# Altium PCB Mother_board_SSL2018.PcbDoc (part 1 of 2)
Units mm, origin at the board's own origin, x right, y up, seen from the top; angles counter-clockwise.
Board outline 169 x 150.57 mm, 2 copper layers (Top Layer, Bottom Layer), stack 1.57 mm thick; 100 components, 103 nets, 445 pads, 331 vias.
Unrouted connection lines stored in the file: 4.
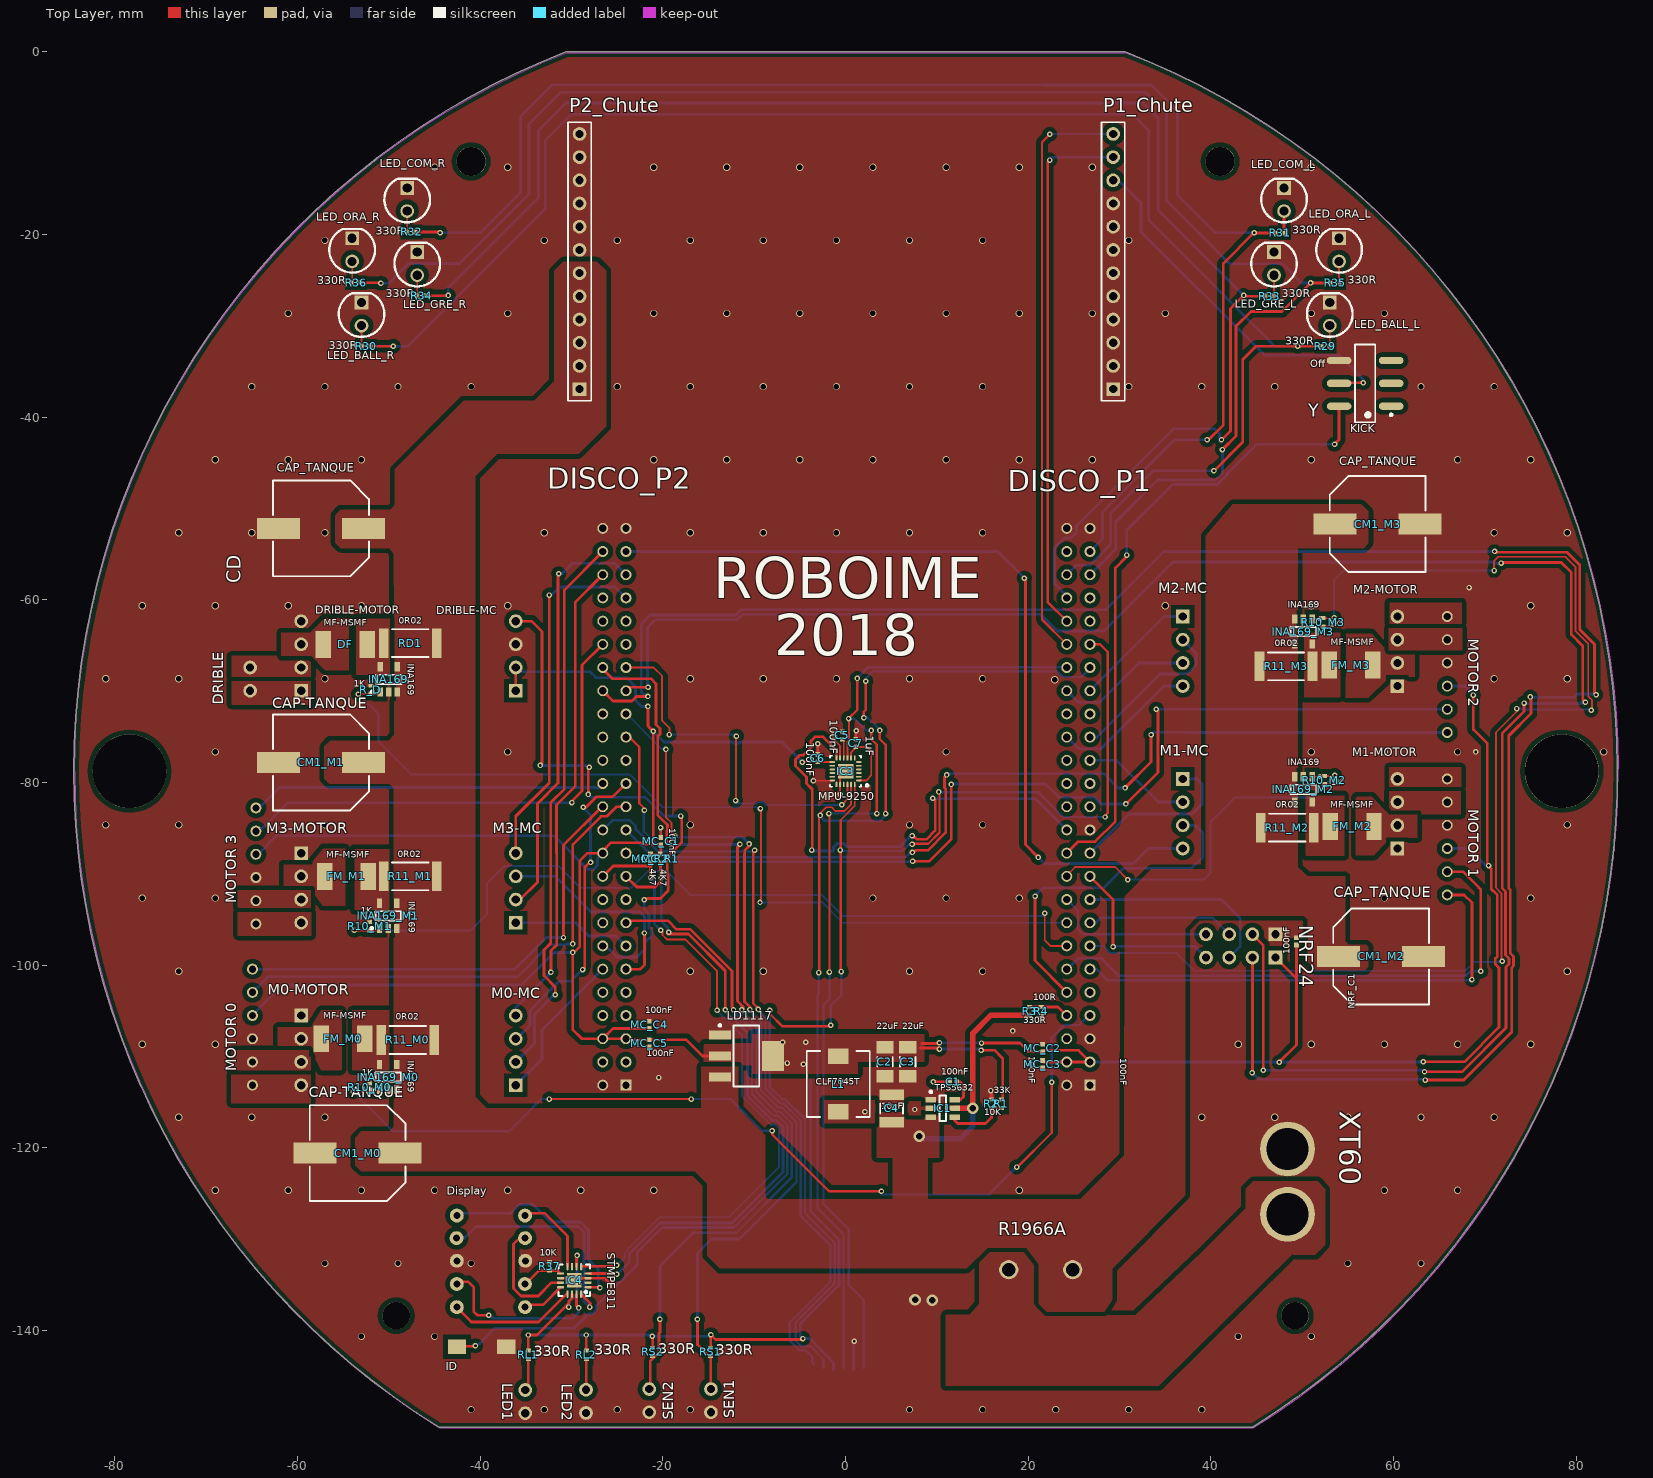
[diagram p0: Top Layer view]
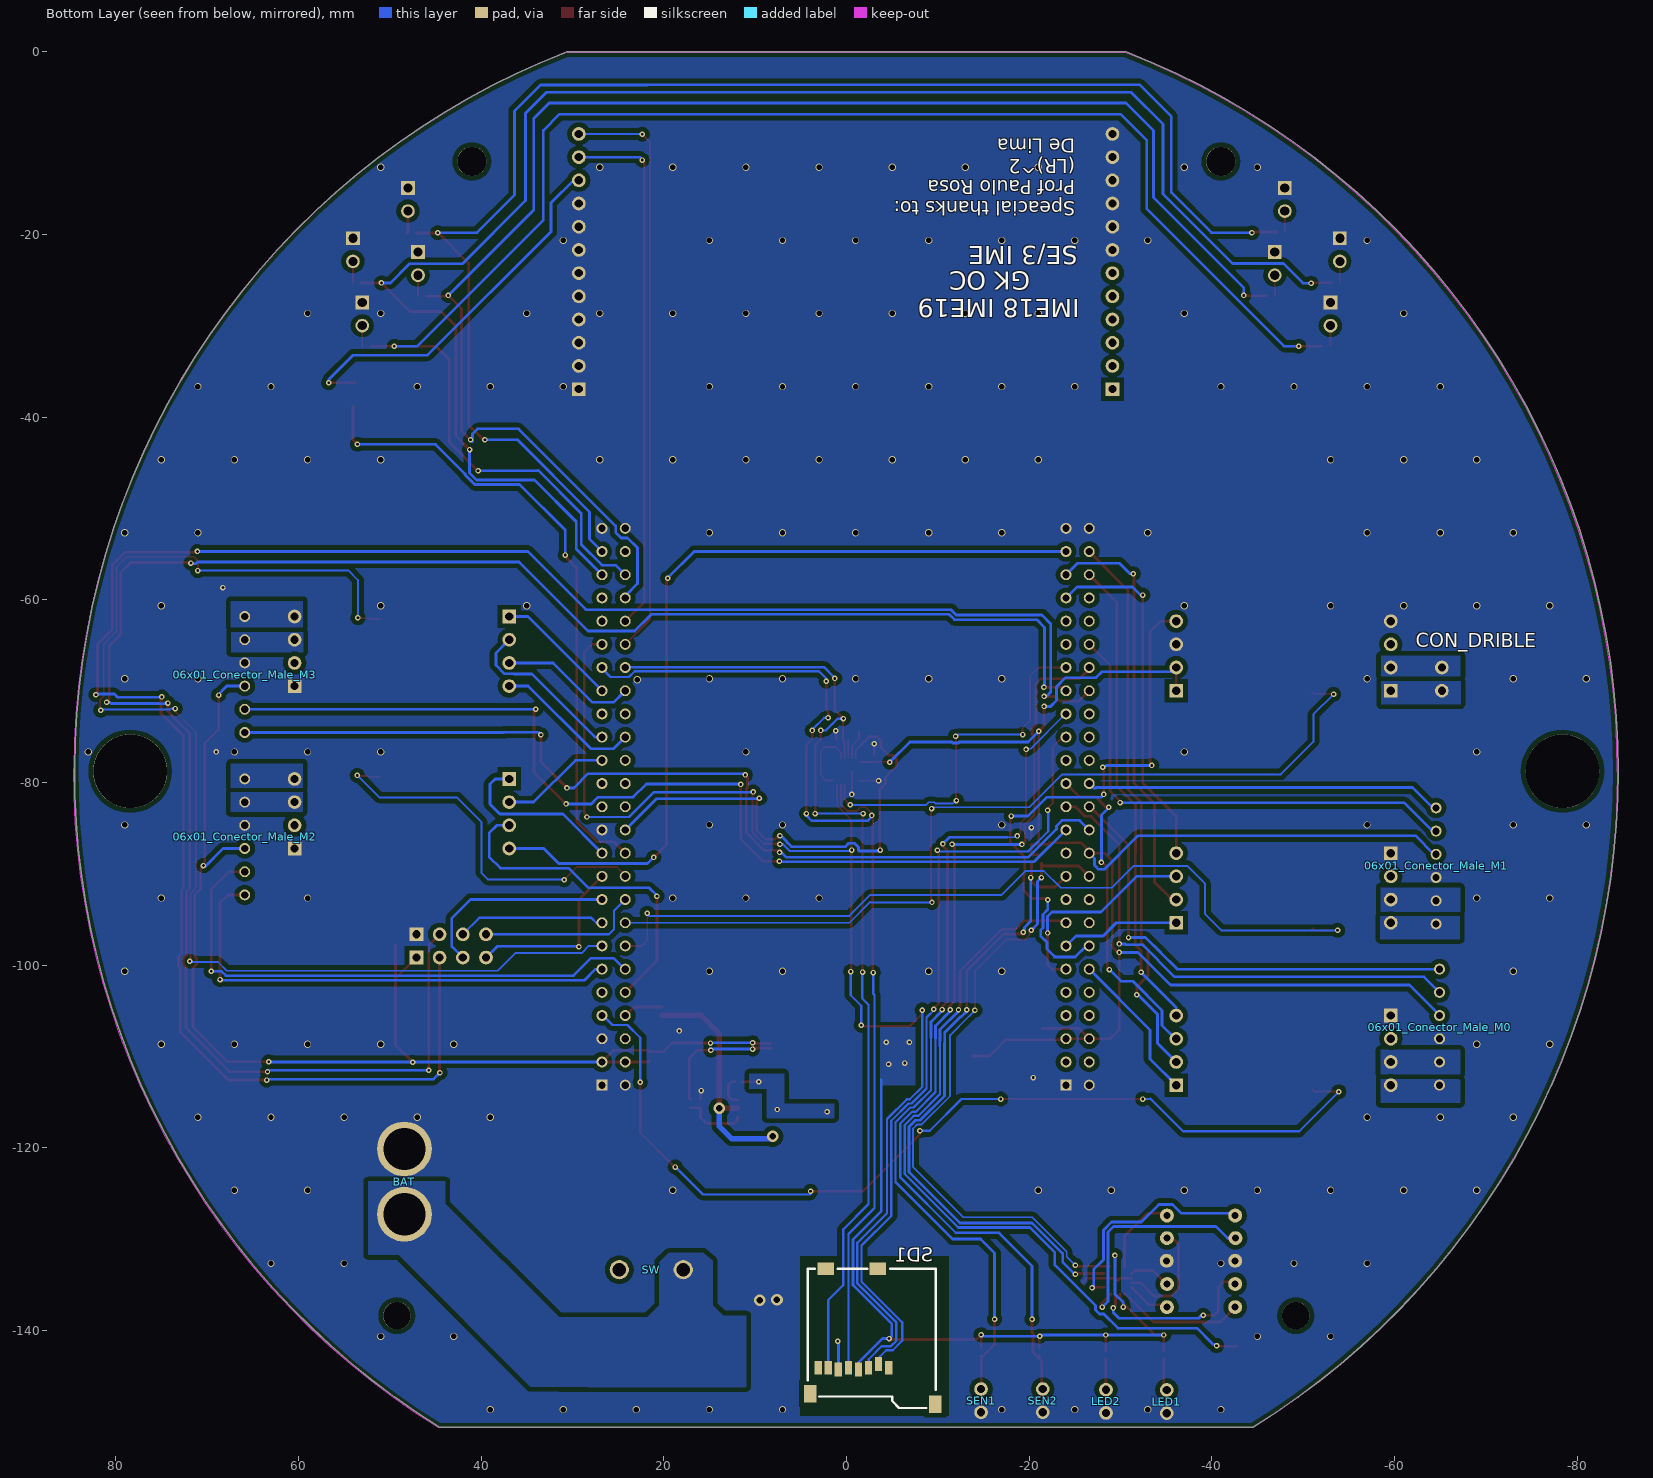
[diagram p1: Bottom Layer view, seen from below]
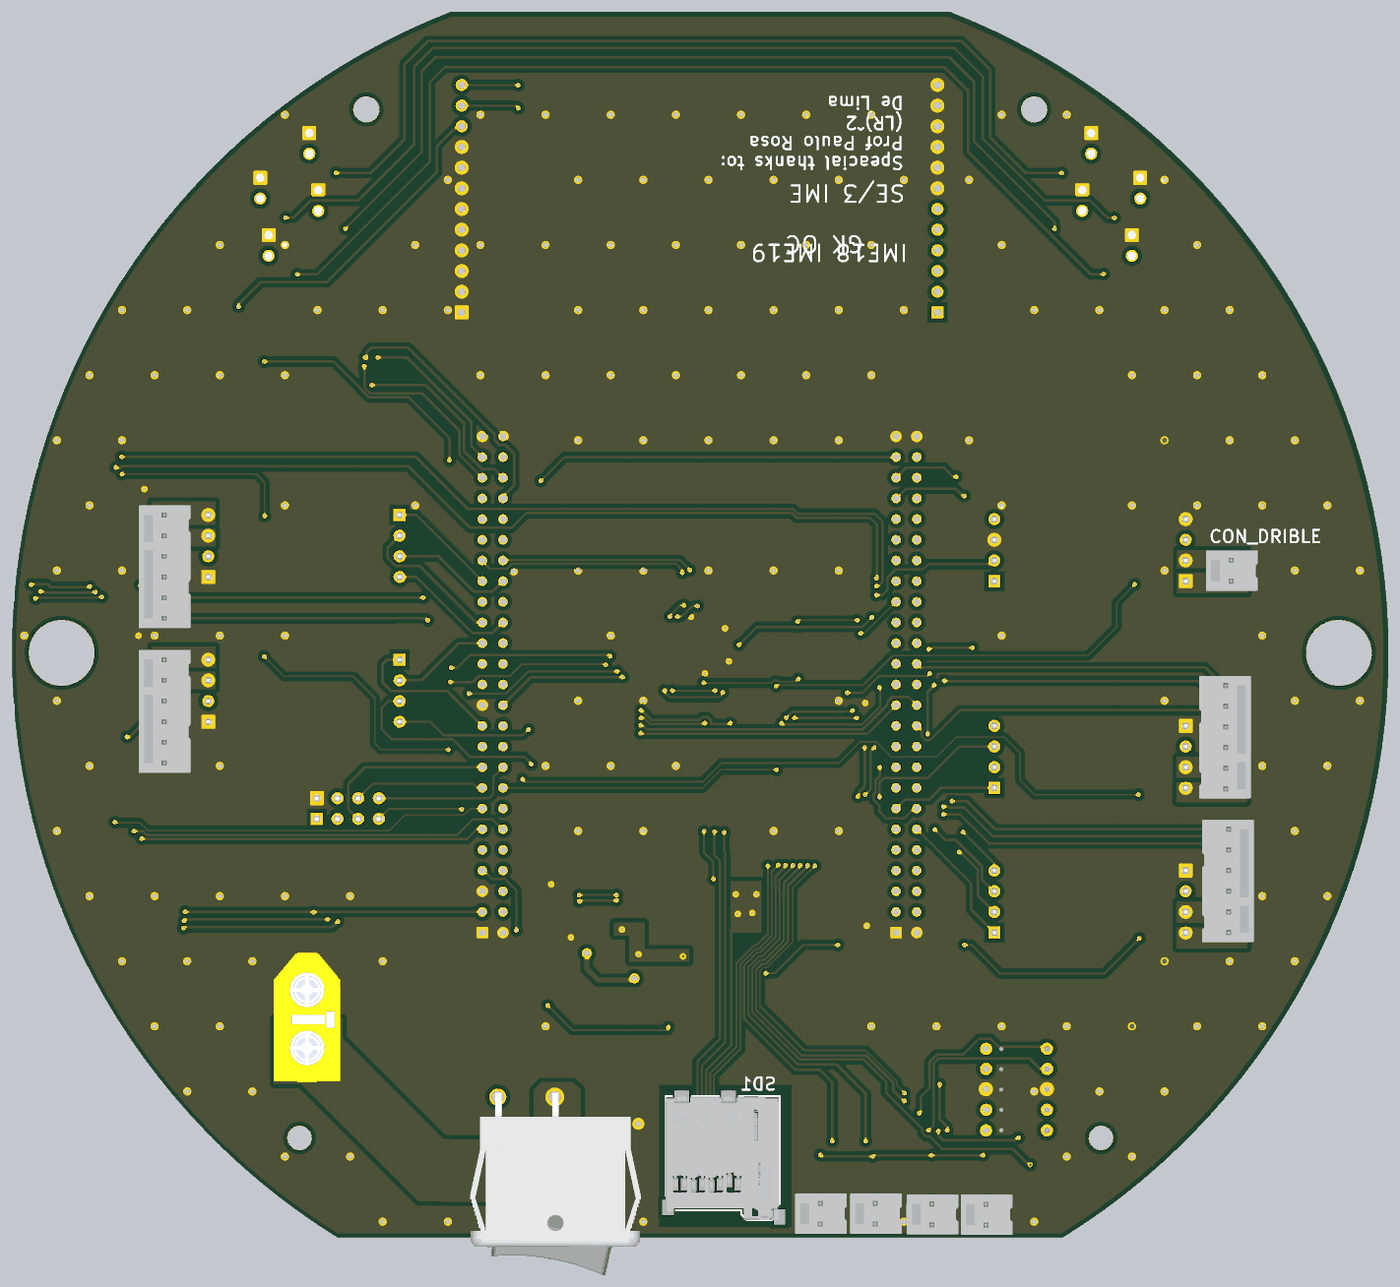
[diagram p3: 3D render of the assembled board from below, using the file's embedded part models]

## Layer stack, top to bottom
Top Solder: solder mask 0.01, Solder Resist, Dk 3.5
Top Layer: signal copper 0.035
Dielectric 1: dielectric 1.5, FR-4, Dk 4.8
Bottom Layer: signal copper 0.035
Bottom Solder: solder mask 0.01, Solder Resist, Dk 3.5

## Board outline
-30.603,0 -33.364,-1.129 -36.083,-2.355 -38.757,-3.676 -41.383,-5.091 -43.957,-6.597 -46.477,-8.194 -48.938,-9.878 -51.339,-11.648 -53.676,-13.502 -55.946,-15.437 -58.146,-17.451 -60.274,-19.541 -62.326,-21.705 -64.301,-23.941 -66.196,-26.244 -68.008,-28.613 -69.736,-31.044 -71.377,-33.535 -72.928,-36.083 -74.389,-38.683 -75.758,-41.333 -77.031,-44.03 -78.209,-46.771 -79.29,-49.551 -80.271,-52.368 -81.153,-55.217 -81.933,-58.096 -82.612,-61 -83.187,-63.927 -83.659,-66.872 -84.027,-69.832 -84.29,-72.803 -84.447,-75.782 -84.5,-78.764 -84.448,-81.723 -84.293,-84.678 -84.034,-87.625 -83.672,-90.562 -83.208,-93.484 -82.642,-96.389 -81.974,-99.272 -81.205,-102.129 -80.338,-104.958 -79.371,-107.755 -78.307,-110.516 -77.148,-113.238 -75.893,-115.918 -74.546,-118.553 -73.107,-121.139 -71.579,-123.672 -69.962,-126.151 -68.26,-128.571 -66.475,-130.931 -64.607,-133.226 -62.661,-135.455 -60.637,-137.614 -58.54,-139.701 -56.37,-141.713 -54.132,-143.649 -51.827,-145.504 -49.458,-147.278 -47.029,-148.967 -44.542,-150.571 44.542,-150.571 47.04,-148.96 49.479,-147.263 51.857,-145.481 54.171,-143.616 56.418,-141.671 58.595,-139.648 60.7,-137.55 62.729,-135.379 64.681,-133.138 66.553,-130.83 68.343,-128.458 70.048,-126.024 71.667,-123.531 73.197,-120.984 74.636,-118.384 75.983,-115.735 77.236,-113.04 78.394,-110.303 79.454,-107.527 80.416,-104.715 81.279,-101.871 82.041,-98.999 82.702,-96.101 83.261,-93.182 83.716,-90.246 84.068,-87.295 84.316,-84.333 84.46,-81.365 84.499,-78.393 84.434,-75.422 84.264,-72.455 83.99,-69.496 83.612,-66.549 83.131,-63.616 82.547,-60.702 81.861,-57.811 81.073,-54.945 80.186,-52.109 79.199,-49.306 78.114,-46.539 76.933,-43.812 75.656,-41.128 74.286,-38.491 72.824,-35.904 71.271,-33.37 69.631,-30.892 67.905,-28.473 66.094,-26.116 64.202,-23.824 62.23,-21.601 60.182,-19.448 58.059,-17.368 55.864,-15.365 53.6,-13.44 51.27,-11.595 48.876,-9.834 46.422,-8.158 43.911,-6.569 41.345,-5.07 38.728,-3.661 36.063,-2.346 33.354,-1.125 30.603,0

## Design rules (kind name [scope] priority, off if disabled: settings)
Clearance Clearance_1 [All] p1: gap=0.3 ignorepadtopadclearanceinfootprint=FALSE except(0: Arc-Hole Track-Hole SMDPad-Hole THPad-Hole Via-Hole Fill-Hole Poly-Hole Region-Hole Text-Hole; 0.15: SMDPad-SMDPad; 0.2: Track-Track Track-SMDPad; 0.5: Arc-Poly Track-Poly SMDPad-Poly THPad-Poly Via-Poly Fill-Poly Poly-Poly Poly-Region Poly-Text)
HoleSize [All] p1: absolutevalues=TRUE maxlimit=10 minlimit=0.025 maxpercent=80.000 minpercent=20.000
MinimumSolderMaskSliver [All] p1 off: minsoldermaskwidth=0.2
PlaneConnect [All] p1: planeconnectstyle=Direct reliefexpansion=0.508 reliefentries=4 reliefconductorwidth=0.254 reliefairgap=0.254
PolygonConnect "Schematic Polygon Connect Style_3" [InComponent('C3')] p1: connectstyle=Direct reliefconductorwidth=0.254 reliefentries=4 polygonreliefangle="45 Angle" airgapwidth=0.254
PolygonConnect PolygonConnect_3 [InNet('GND')] p2: connectstyle=Direct reliefconductorwidth=0.254 reliefentries=4 polygonreliefangle="90 Angle" airgapwidth=0.254
PolygonConnect PolygonConnect_1 [InNetClass('DIRECT')] p3: connectstyle=Direct reliefconductorwidth=0.508 reliefentries=4 polygonreliefangle="90 Angle" airgapwidth=0.254
PolygonConnect PolygonConnect_2 [IsVia] p4: connectstyle=Direct reliefconductorwidth=0.254 reliefentries=4 polygonreliefangle="90 Angle" airgapwidth=0.254
PolygonConnect "Schematic Polygon Connect Style_1" [InComponent('C2')] p5: connectstyle=Direct reliefconductorwidth=0.254 reliefentries=4 polygonreliefangle="45 Angle" airgapwidth=0.254
PolygonConnect "Schematic Polygon Connect Style_2" [InComponent('L1')] p6: connectstyle=Direct reliefconductorwidth=0.254 reliefentries=4 polygonreliefangle="45 Angle" airgapwidth=0.254
PolygonConnect [All] p7: connectstyle=Direct reliefconductorwidth=0.3 reliefentries=4 polygonreliefangle="90 Angle" airgapwidth=0.254
RoutingVias [All] p1: holewidth=0.7 width=1 viastyle="Through Hole" minholewidth=0.5 minwidth=0.7 maxholewidth=6 maxwidth=6
SilkToSilkClearance [All] p1 off: silktosilkclearance=0.254
SilkToSolderMaskClearance [IsPad] p1 off: minsilkscreentomaskgap=0.254 clearancetoexposedcopper=TRUE
SolderMaskExpansion [All] p1: expansion=0.102
Width [All] p1: maxlimit=1.016 minlimit=0.2 preferedwidth=0.3
25 further rules are at their usual default settings.

## Classes and differential pairs
component class Periféricos: C5 C6 C7 Display IC3 IC4 ID LED_BALL_L LED_BALL_R LED_COM_L LED_COM_R LED_GRE_L LED_GRE_R LED_ORA_R LED_ORAn_L R29 R30 R31 R32 R33 R34 R35 R36 R37 SD1
component class POWER: BAT C1 C2 C3 C4 IC1 IC? L1 LD1117 R1 R2 R3 R4 SW
net class DIRECT: DA DB MA_M0 MA_M1 MA_M2 MA_M3 MB_M0 MB_M1 MB_M2 MB_M3 NetC1_2 NetC1_M0_2 NetC1_M1_2 NetC1_M2_2 NetC1_M3_2 NetCON_DM_1 NetDF_2 NetFM_M0_2 NetFM_M1_2 NetFM_M2_2 NetFM_M3_2 VBAT
component class M0: 06x01_Conector_Male_M0 C1_M0 C3_M0 CM1_M0 FM_M0 INA169_M0 M0-MC M0-MOTOR R10_M0 R11_M0
component class M1: 06x01_Conector_Male_M1 C1_M1 C3_M1 CM1_M1 FM_M1 INA169_M1 M3-MC M3-MOTOR R10_M1 R11_M1
component class M2: 06x01_Conector_Male_M2 C1_M2 C3_M2 CM1_M2 FM_M2 INA169_M2 M1-MC M1-MOTOR R10_M2 R11_M2
component class M3: 06x01_Conector_Male_M3 C1_M3 C3_M3 CM1_M3 FM_M3 INA169_M3 M2-MC M2-MOTOR R10_M3 R11_M3
component class Mother_board_SSL2018: 4k7 CD CON_DM CON_DMc CON_DRIBLE DF DISCO_P1 DISCO_P2 DRIBLE-MC DRIBLE-MOTOR INA169 Kick? LED1 LED2 MC_C1 MC_C2 MC_C3 MC_C4 MC_C5 MC_R1 MC_R2 NRF24 NRF_C1 P1_Chute P2_Chute R_D RD1 RL1 RL2 RS1 RS2 SEN1 SEN2 SENSOR1 SENSOR2
channel class MOTORES: M0 M1 M2 M3

## Components (designator, comment, footprint, x,y, rotation, side; value= is the part's Value field where it differs from the comment)
06x01_Conector_Male_M0 "MOTOR 0" 06x01_Conector_Male -65.069,-106.781 r90 bottom (schematic designator 06x01_Conector_Male)
06x01_Conector_Male_M1 "MOTOR 3" 06x01_Conector_Male -64.688,-89.128 r90 bottom (schematic designator 06x01_Conector_Male)
06x01_Conector_Male_M2 "MOTOR 1" 06x01_Conector_Male 65.995,-85.953 r270 bottom (schematic designator 06x01_Conector_Male)
06x01_Conector_Male_M3 "MOTOR 2" 06x01_Conector_Male 65.995,-68.173 r270 bottom (schematic designator 06x01_Conector_Male)
BAT "XT60" BATTERY_CONECTO-PCB 48.385,-123.695 r90 bottom
C1 "100nF" 0402-CAP 11.766,-112.75 r180 top value=100n
C2 "22uF" 1206-CAP 4.309,-110.567 r90 top value=22u
C3 "22uF" 1206-CAP 6.813,-110.567 r90 top value=22u
C4 "10uF" 1210-CAP 5.035,-115.671 r270 top value=10u
C5 "100nF" 0402-CAP -0.375,-74.85 r90 top value=100n
C6 "100nF" 0402-CAP -3.05,-77.325 r90 top value=100n
C7 "1uF" 0402-CAP 1.1,-75.675 r90 top value=1u
CD "CAP_TANQUE" EEE-FK1C681GP -57.449,-52.171 r180 top
CM1_M0 "CAP-TANQUE" EEE-FK1C681GP -53.425,-120.575 r180 top (schematic designator CM1)
CM1_M1 "CAP-TANQUE" EEE-FK1C681GP -57.449,-77.805 r180 top (schematic designator CM1)
CM1_M2 "CAP_TANQUE" EEE-FK1C681GP 58.629,-99.034 r0 top (schematic designator CM1)
CM1_M3 "CAP_TANQUE" EEE-FK1C681GP 58.248,-51.703 r0 top (schematic designator CM1)
CON_DRIBLE "DRIBLE" 02x01_Conector_Male -65.196,-68.681 r90 bottom
DF "MF-MSMF" RESC4632X16N -54.782,-64.871 r0 top
DISCO_P1 "SFH11-PBPC-D25-ST-BK" 25x02_Conector_Female 25.482,-82.651 r90 top locked
DISCO_P2 "SFH11-PBPC-D25-ST-BK" 25x02_Conector_Female -25.318,-82.651 r90 top locked
Display "HDSP-F513" "New footprint 1"#1 -39.775,-132.233 r0 top
DRIBLE-MC "PPPC041LFBN-RC" "04x01_Conector_Female - duplicate" -36.113,-66.141 r270 top (schematic designator CON_DMc)
DRIBLE-MOTOR "PPPC041LFBN-RC" "04x01_Conector_Female - duplicate" -59.608,-66.141 r270 top (schematic designator CON_DM)
FM_M0 "MF-MSMF" RESC4632X16N -55.036,-108.051 r0 top (schematic designator FM)
FM_M1 "MF-MSMF" RESC4632X16N -54.655,-90.271 r0 top (schematic designator FM)
FM_M2 "MF-MSMF" RESC4632X16N 55.454,-84.81 r180 top (schematic designator FM)
FM_M3 "MF-MSMF" RESC4632X16N 55.327,-67.157 r180 top (schematic designator FM)
IC1 "TPS5632" SOT95P280X110-6N 10.623,-115.671 r0 top
IC3 "MPU-9250" MPU-9250 0,-78.764 r180 top
IC4 "STMPE811" QFN16_N -29.71,-134.508 r180 top
ID "SWITCH TACTILE 6 x 3.5 x 4.3 mm" PCBComponent -39.85,-141.775 r0 top (schematic designator SW_id1)
INA169 "INA169" SOT95P280X125-5N -50.022,-68.703 r90 top
INA169_M0 "INA169" SOT95P280X125-5N -50.083,-112.242 r90 top (schematic designator INA169)
INA169_M1 "INA169" SOT95P280X125-5N -50.083,-94.589 r90 top (schematic designator INA169)
INA169_M2 "INA169" SOT95P280X125-5N 50.12,-80.746 r270 top (schematic designator INA169)
INA169_M3 "INA169" SOT95P280X125-5N 50.12,-63.474 r270 top (schematic designator INA169)
KICK "JS202011SCQN" SOP250P750X350-6N 56.875,-36.3 r180 top (schematic designator Kick?)
L1 "CLF7045T" CLF7045T -0.807,-113.006 r180 top
LD1117 "LD1117S33CTR" SOT-223_N -10.861,-109.942 r0 top (schematic designator IC?)
LED1 "0022112022" 02x01_Conector_Male -35.075,-147.775 r90 bottom
LED2 "0022112022" 02x01_Conector_Male -28.425,-147.75 r90 bottom
LED_BALL_L "LED" LED-5MM-PCB 53,-28.713 r90 top
LED_BALL_R "LED" LED-5MM-PCB -53,-28.713 r90 top
LED_COM_L "LED" LED-5MM-PCB 48,-16.171 r90 top
LED_COM_R "LED" LED-5MM-PCB -48,-16.171 r90 top
LED_GRE_L "LED" LED-5MM-PCB 46.9,-23.19 r90 top (schematic designator LED_GREEN_L)
LED_GRE_R "LED" LED-5MM-PCB -46.9,-23.19 r90 top (schematic designator LED_GREEN_R)
LED_ORA_L "LED" LED-5MM-PCB 54.025,-21.675 r90 top (schematic designator LED_ORANGE_L)
LED_ORA_R "LED" LED-5MM-PCB -54.025,-21.675 r90 top (schematic designator LED_ORANGE_R)
M0-MC "PPPC041LFBN-RC" 04x01_Conector_Female -36.113,-109.321 r270 top (schematic designator C3)
M0-MOTOR "PPPC041LFBN-RC" 04x01_Conector_Female -59.608,-109.321 r90 top (schematic designator C1)
M1-MC "PPPC041LFBN-RC" 04x01_Conector_Female 36.912,-83.413 r90 top (schematic designator C3)
M1-MOTOR "PPPC041LFBN-RC" 04x01_Conector_Female 60.407,-83.413 r270 top (schematic designator C1)
M2-MC "PPPC041LFBN-RC" 04x01_Conector_Female 36.912,-65.633 r90 top (schematic designator C3)
M2-MOTOR "PPPC041LFBN-RC" 04x01_Conector_Female 60.407,-65.633 r270 top (schematic designator C1)
M3-MC "PPPC041LFBN-RC" 04x01_Conector_Female -36.113,-91.541 r270 top (schematic designator C3)
M3-MOTOR "PPPC041LFBN-RC" 04x01_Conector_Female -59.608,-91.541 r90 top (schematic designator C1)
MC_C1 "100nF" 0402-CAP -20.238,-86.421 r270 top value=100n
MC_C2 "100nF" 0402-CAP 21.545,-109.067 r270 top value=100n
MC_C3 "100nF" 0402-CAP 21.545,-110.845 r270 top value=100n
MC_C4 "100nF" 0402-CAP -21.508,-106.527 r270 top value=100n
MC_C5 "100nF" 0402-CAP -21.508,-108.559 r90 top value=100n
MC_R1 "4K7" 0402 -20.275,-88.325 r90 top value=4,7K
MC_R2 "4K7" 0402 -21.363,-88.346 r90 top value=4,7K
NRF24 "PPPC042LFBN-RC" 04x02_Conector_Female 43.262,-97.891 r0 top (schematic designator 04x02_Conector_Female)
NRF_C1 "100nF" 0402-CAP 49.358,-97.383 r90 top value=100n
P1_Chute "Header 12" HDR1X12 29.292,-36.931 r90 top
P2_Chute "Header 12" HDR1X12 -29.128,-36.931 r90 top
R1 "33K" 0402-RES-HD 17.061,-115.163 r90 top
R2 "10K" 0402-RES-HD 15.957,-115.163 r270 top
R3 "330R" 0402-RES-HD 20.148,-105.039 r270 top value=330
R4 "100R" 0402-RES-HD 21.418,-105.039 r90 top value=100
R10_M0 "1K" 0402-RES-HD -52.115,-113.385 r270 top (schematic designator R10)
R10_M1 "1K" 0402-RES-HD -52.115,-95.732 r270 top (schematic designator R10)
R10_M2 "1K" 0402-RES-HD 52.406,-79.73 r90 top (schematic designator R10)
R10_M3 "1K" 0402-RES-HD 52.279,-62.458 r90 top (schematic designator R10)
R11_M0 "0R02" 2512-RES-HD -47.924,-108.178 r0 top value=0.02 (schematic designator R11)
R11_M1 "0R02" 2512-RES-HD -47.67,-90.271 r0 top value=0.02 (schematic designator R11)
R11_M2 "0R02" 2512-RES-HD 48.342,-84.937 r180 top value=0.02 (schematic designator R11)
R11_M3 "0R02" 2512-RES-HD 48.215,-67.284 r180 top value=0.02 (schematic designator R11)
R29 "330R" 0402-RES-HD 52.525,-32.25 r0 top value=330
R30 "330R" 0402-RES-HD -52.5,-32.225 r180 top value=330
R31 "330R" 0402-RES-HD 47.575,-19.825 r0 top value=330
R32 "330R" 0402-RES-HD -47.525,-19.725 r180 top value=330
R33 "330R" 0402-RES-HD 46.425,-26.75 r0 top value=330
R34 "330R" 0402-RES-HD -46.425,-26.7 r180 top value=330
R35 "330R" 0402-RES-HD 53.6,-25.3 r0 top value=330
R36 "330R" 0402-RES-HD -53.6,-25.275 r180 top value=330
R37 "10K" 0402-RES-HD -32.4,-132.975 r90 top